# Altium PCB GPS_TRACKER.PcbDoc (part 2 of 2)
Units mm, origin at the board's own origin, x right, y up, seen from the top; angles counter-clockwise.
Board outline 98 x 99.63 mm, 2 copper layers (Top Layer, Bottom Layer), stack 1.57 mm thick; 93 components, 62 nets, 358 pads, 662 vias.
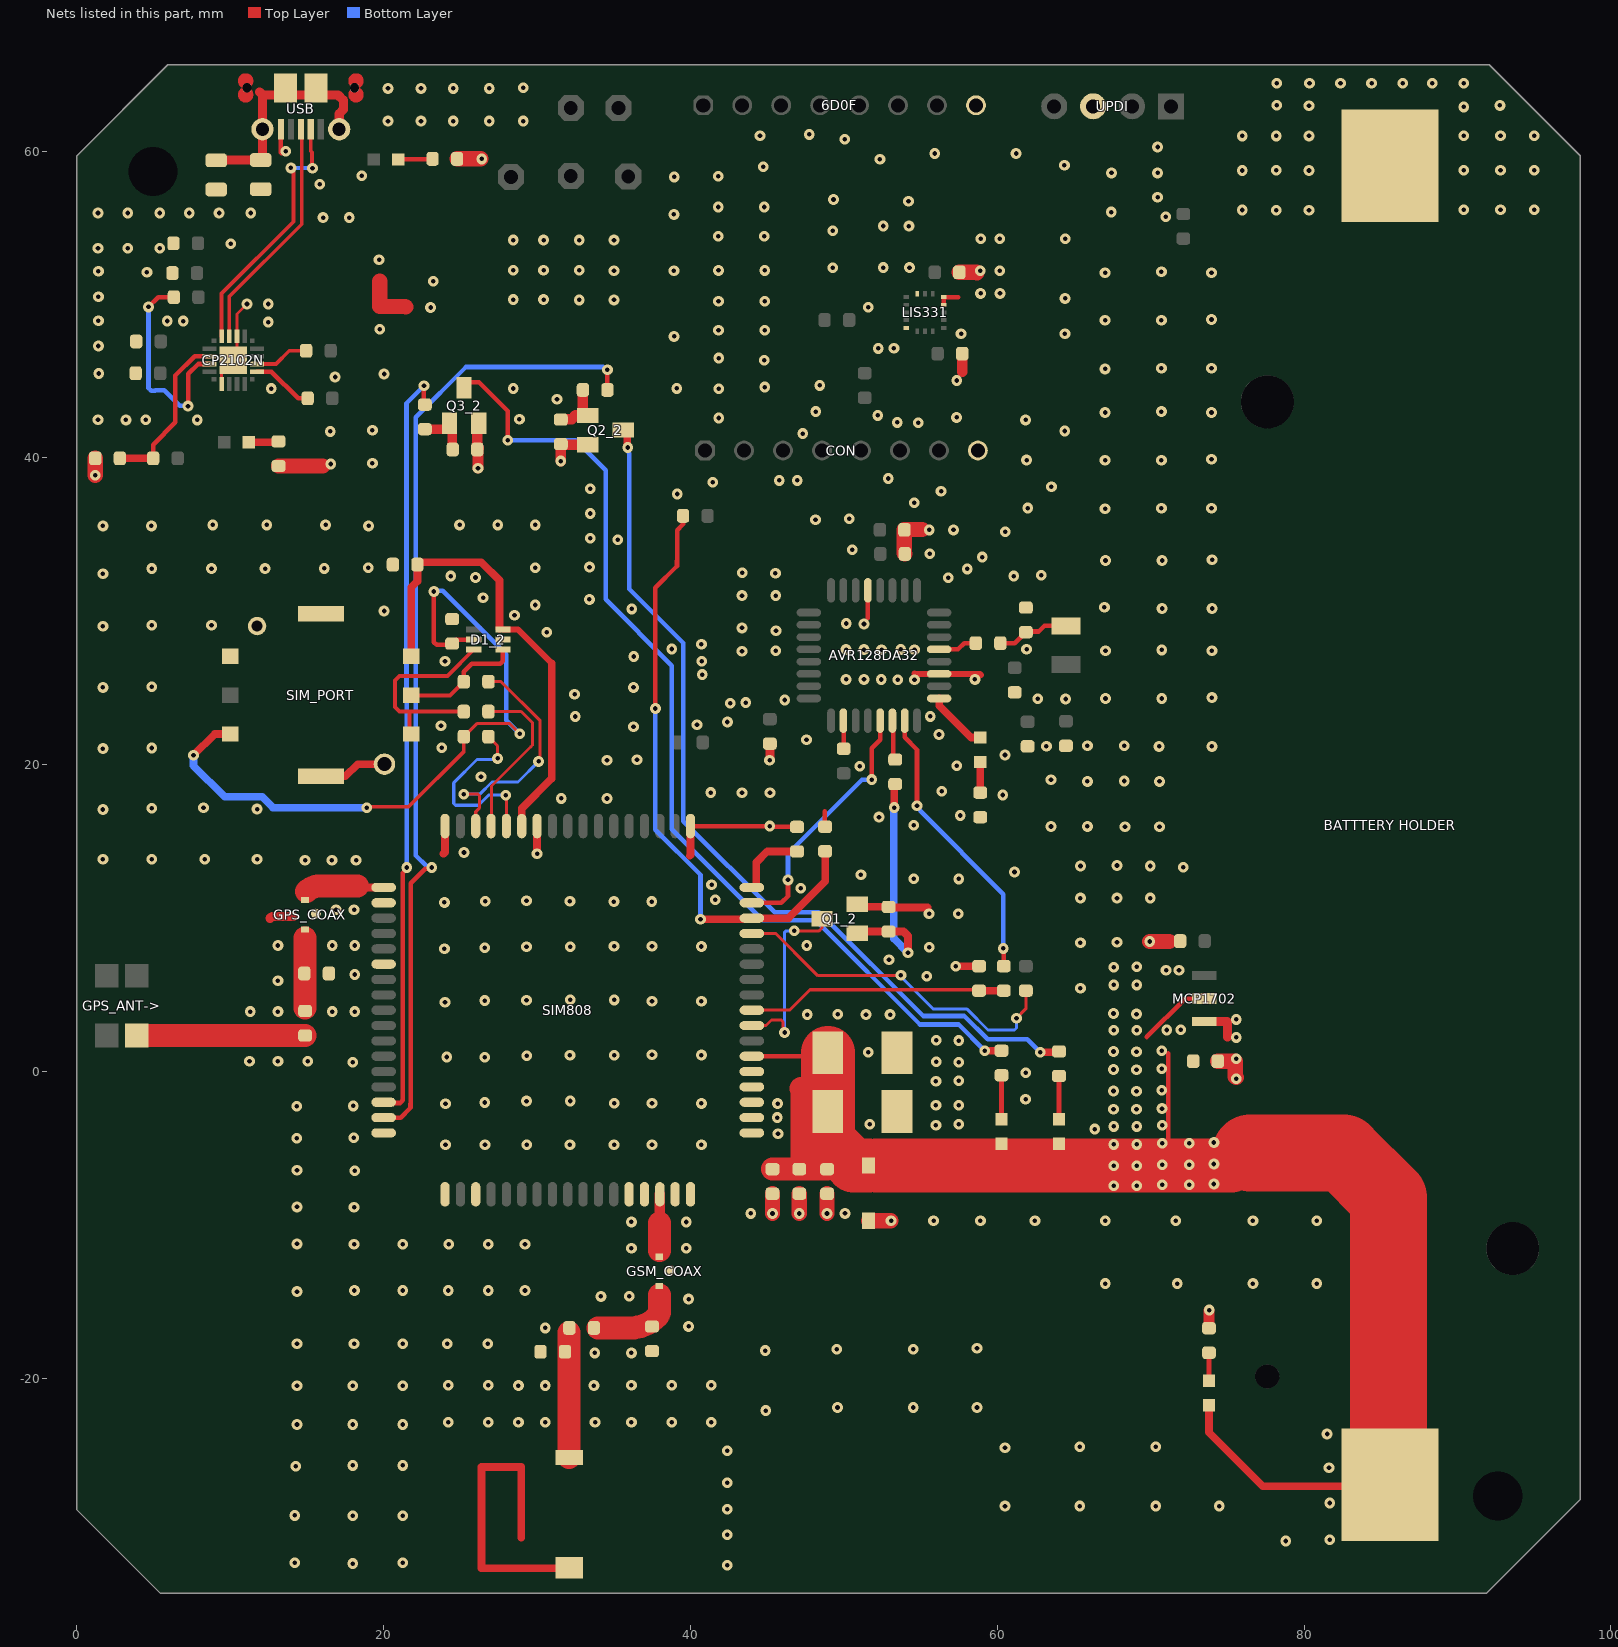
[diagram p2: the nets of this part, all layers, seen from the top]

## Via types
v1: diameter 0.7, hole 0.3, Top Layer to Bottom Layer, tented both sides, 662 vias

## Nets (pads, with @x,y where several pads share a name; then routed paths per layer and width w, separated by ;. In a path a pad name is that pad's centre, name@x,y a point inside that pad or via, vN(x,y) a via of type N, cw(c..) or ccw(c..) an arc to the next point about the centre after c; other vN are vias at no path point) (continued)
AVR_XTAL32K2: AVR128DA32.21 R4_1.2 | length 2.5
  Top Layer w0.3: AVR128DA32.21@56.214,27.522 57.441,27.522 57.841,27.922 R4_1.2@58.597,27.922
CO2102N_RST: CP2102N.9 R10_1.1 | length 14
  Top Layer w0.3: v1(4.669,49.844) 5.304,50.479 R10_1.1@6.321,50.479 ; v1@7.252,43.388 7.252,45.476 7.903,46.126 CP2102N.9@8.638,46.126
  Bottom Layer w0.3: v1@4.67,49.843 4.67,44.56 4.845,44.385 5.109,44.385 5.128,44.404 5.708,44.404 6.712,43.4 7.224,43.4 v1(7.244,43.38)
CO2102N_USART_RX: CP2102N.17 R13_1.2 | length 4
  Top Layer w0.3: CP2102N.17@11.738,45.626 12.684,45.626 14.422,43.888 R13_1.2@15.047,43.888
CO2102N_USART_TX: CP2102N.18 R12_1.2 | length 3.6
  Top Layer w0.25: CP2102N.18@11.738,46.126 12.985,46.126 13.846,46.987 R12_1.2@14.946,46.987
GND: 6D0F.8 "BATTTERY HOLDER.1" AVR128DA32.19 AVR128DA32.29 C1_1.1 C1_2.1 C2_1.1 C2_2.1 C3_1.1 C3_2.1 C4_1.1 C4_2.2 C5_1.1 C5_2.1 C6_1.1 C6_2.2 C7_1.1 C7_2.1 C8_1.1 C8_2.1 C9_1.1 C9_2.1 C10_1.1 C10_2.1 C11_1.1 C12_1.1 C13_1.1 C14_1.1 C15_1.2 CON.8 CP2102N.3 CP2102N.12 CP2102N.21 D1_2.2 GPS_COAX.3 GSM_COAX.3 L2_2.1 LIS331.5 LIS331.12 LIS331.13 LIS331.16 MCP1702.1 Q1_2.2 Q2_2.2 Q3_2.2 R2_1.2 R3_1.2 R5_2.2 R8_1.1 R9_1.1 R9_2.1 R10_2.1 R11_1.1 R13_2.2 R14_2.2 R15_1.1 R17_1.2 SIM808.1 SIM808.2 SIM808.3 SIM808.18 SIM808.28 SIM808.34 SIM808.36 SIM808.40 SIM808.51 SIM808.52 SIM808.54 SIM808.64 SIM808.65 SIM808.67 SIM808.68 SIM_PORT.1 SIM_PORT.2 SIM_PORT.3 SIM_PORT.4 SIM_PORT.C5 UPDI.3 USB.5 Z1_2.2 | length 74.3
  Top Layer w0.2: CP2102N.12@9.438,44.826 9.438,45.653 10.438,46.653 CP2102N.3@10.438,47.926 10.438,49.378 v1(11.094,50.034)
  Top Layer w0.3: USB.5@13.3,61.425 13.3,59.912 v1@13.341,59.87 ; SIM808.18@40,16 45.376,16 45.425,15.95 C7_2.1@46.945,15.95 ; 48.747,16.961 48.747,15.986 R9_2.1@48.774,15.96 ; 51.564,29.561 AVR128DA32.29@51.564,31.372 ; LIS331.12@56.512,49.981 LIS331.13@56.512,50.481 57.461,50.481
  Top Layer w0.4: 54.613,25.94 54.631,25.922 AVR128DA32.19@56.214,25.922 58.872,25.922 58.948,25.846
  Top Layer w0.5: SIM_PORT.2@15.9,19.24 17.5,19.24 18.3,20.04 SIM_PORT.4@20.05,20.04 ; 23.9,14.2 24,14.3 SIM808.34@24,16 ; v1(30,14.2) SIM808.28@30,16 ; 39.957,14.077 40,14.12 SIM808.18@40,16 ; Q1_2.2@50.873,10.91 51.036,10.746 R5_2.2@52.898,10.746 ; R5_2.2@52.914,10.73 52.944,10.7 55.446,10.7 55.476,10.669 ; v1(57.3,6.871) R10_2.1@58.813,6.871 ; R3_1.2@58.889,16.582 R3_1.2@58.906,16.564
  Top Layer w0.6: 12.59,10 cw(c12.853,9.736) 12.853,10.109 14.127,10.109 ; v1(45.158,20.295) 45.175,20.312 R2_1.2@45.175,21.372 ; MCP1702.1@73.495,3.257 74.983,3.257 75,3.24 75,2.257
  Top Layer w0.7: R14_2.2@26.101,40.552 R14_2.2@26.189,40.639 ; R14_2.2@26.101,40.639 Q3_2.2@26.101,42.262 ; v1(26.149,39.331) R14_2.2@26.149,40.503 ; v1(31.542,39.795) 31.55,39.803 R13_2.2@31.55,40.902 31.584,40.868 Q2_2.2@33.307,40.868 ; 57.716,45.618 C10_1.1@57.716,46.794 ; R9_1.1@73.797,-16.731 v1@73.797,-15.57
  Top Layer w1: v1(1.199,38.863) R15_1.1@1.199,39.978 ; R11_1.1@13.144,39.475 16.032,39.475 ; 19.741,51.524 19.741,49.874 21.413,49.874 21.445,49.842 ; R8_1.1@24.787,59.492 v1@26.338,59.492 ; v1(45.344,-9.25) C6_2.2@45.344,-7.964 ; v1(47.094,-9.25) C5_2.1@47.094,-7.961 ; v1(48.9,-9.25) 48.904,-9.246 C4_2.2@48.904,-7.964 ; Z1_2.2@51.6,-9.725 v1@53.045,-9.725 ; C1_1.1@53.975,33.746 53.942,33.779 C4_1.1@53.942,35.315 53.958,35.331 55.108,35.331 ; C9_1.1@57.522,52.1 58.651,52.1 v1@58.677,52.074 ; v1(69.932,8.477) 71.198,8.477 ; C7_1.1@74.372,0.677 75.52,0.677 75.52,-0.334 v1@75.574,-0.388
  other v1: 42.4,-32.175 17.977,-32.075 14.203,-32.013 21.251,-32.013 78.8,-30.6 81.675,-30.525 42.4,-30.2 17.977,-28.964 21.251,-28.964 14.203,-28.933 42.4,-28.525 60.5,-28.325 65.375,-28.325 70.332,-28.325 74.475,-28.325 81.675,-28.125 42.4,-26.8 81.625,-25.825 14.275,-25.726 17.977,-25.675 21.251,-25.675 42.4,-24.725 60.5,-24.526 65.375,-24.466 70.332,-24.466 81.5,-23.625 14.35,-23.006 17.977,-23.006 21.251,-23.006 24.215,-22.86 26.822,-22.86 28.785,-22.86 30.525,-22.86 33.782,-22.86 36.15,-22.86 38.785,-22.86 41.35,-22.86 44.906,-22.1 49.582,-21.9 54.518,-21.9 58.679,-21.9 14.35,-20.475 17.977,-20.475 21.251,-20.475 28.785,-20.468 30.525,-20.468 33.706,-20.468 24.215,-20.441 26.822,-20.441 36.15,-20.441 38.785,-20.441 41.35,-20.441 33.755,-18.341 36.15,-18.341 44.875,-18.191 49.526,-18.101 54.518,-18.101 58.679,-18.041 14.35,-17.739 18.07,-17.739 21.251,-17.739 24.15,-17.739 26.785,-17.739 30.525,-16.713 39.878,-16.612 73.819,-15.548 39.878,-14.834 34.163,-14.656 36,-14.652 14.35,-14.343 18.094,-14.271 21.251,-14.271 24.215,-14.271 26.822,-14.271 29.215,-14.271 67.036,-13.821 71.728,-13.821 76.665,-13.821 80.826,-13.821 36.15,-11.517 39.726,-11.517 18.07,-11.261 21.251,-11.261 24.25,-11.261 26.822,-11.261 29.215,-11.261 14.35,-11.236 39.726,-9.808 36.15,-9.8 53.075,-9.725 55.847,-9.725 58.9,-9.725 62.453,-9.725 67.036,-9.725 71.625,-9.725 76.665,-9.725 80.826,-9.725 43.92,-9.246 50.075,-9.246 18.07,-8.85 14.35,-8.825 18.12,-6.459 14.35,-6.434 40.714,-4.778 24.033,-4.769 26.603,-4.769 29.329,-4.769 32.141,-4.769 35.019,-4.769 37.492,-4.764 14.326,-4.339 18.046,-4.314 45.705,-4.057 66.35,-3.75 56,-3.502 51.689,-3.437 57.479,-3.437 45.654,-3 14.326,-2.263 18.022,-2.238 56,-2.202 57.479,-2.202 24.033,-2.09 45.679,-2.088 35.028,-2.063 37.492,-2.063 40.714,-2.078 26.597,-2.018 29.313,-1.925 32.157,-1.919 61.846,-1.8 56,-0.635 57.479,-0.603 75.574,-0.475 61.863,-0.079 17.977,0.603 56.021,0.635 57.479,0.614 11.25,0.665 13.106,0.665 15.054,0.665 75.574,0.827 26.597,0.932 24.115,0.95 29.329,1.032 32.141,1.062 35.037,1.059 37.492,1.089 40.714,1.075 51.589,1.257 56.021,2.034 57.479,2.021 75.574,2.225 75.574,3.4 47.618,3.716 51.44,3.716 53.009,3.716 49.595,3.739 11.303,3.912 13.106,3.912 16.652,3.912 18.12,3.912 23.998,4.514 37.492,4.59 40.714,4.576 26.597,4.625 29.313,4.645 35.028,4.672 32.166,4.68 65.42,5.432 13.106,5.918 55.398,6.21 18.12,6.325 52.939,7.285 23.961,8 26.597,8.075 55.56,8.107 29.31,8.132 32.166,8.137 40.714,8.15 35.019,8.164 37.492,8.164 13.106,8.215 16.652,8.215 18.12,8.215 47.583,8.216 65.42,8.397 67.8,8.426 55.555,10.282 57.446,10.282 16.895,10.541 18.07,10.542 23.961,11.024 26.625,11.095 35.009,11.078 37.482,11.078 32.141,11.105 29.31,11.129 41.622,11.201 65.42,11.306 67.8,11.306 69.97,11.306 47.18,11.942 41.376,12.175 54.548,12.571 57.48,12.559 51.112,12.824 61.119,13.006 72.125,13.32 65.425,13.4 69.975,13.4 67.805,13.429 14.875,13.767 16.627,13.767 18.2,13.767 1.7,13.842 4.877,13.842 8.331,13.841 11.75,13.841 25.233,14.278 70.575,15.95 63.501,15.977 68.325,15.966 45.162,16 65.875,15.982 54.551,16.054 52.292,16.587 57.578,16.689 1.7,17.081 11.75,17.112 4.877,17.17 8.255,17.205 31.572,17.803 34.557,17.8 60.359,18.028 41.323,18.185 43.361,18.182 45.182,18.182 56.387,18.27 65.875,18.915 70.575,18.915 68.284,18.94 63.501,19.02 26.346,19.222 51.026,19.903 57.361,19.943 34.557,20.294 36.511,20.317 60.5,20.638 1.7,21.054 4.877,21.094 23.786,21.108 63.201,21.2 70.545,21.194 73.99,21.194 65.875,21.243 68.284,21.243 47.564,21.622 56.2,21.969 36.284,22.484 23.74,22.538 40.425,22.611 42.409,22.787 32.486,23.147 55.632,23.152 42.585,24.017 43.6,24.051 46.143,24.219 64.451,24.283 62.64,24.301 67.055,24.322 70.729,24.322 73.99,24.376 32.445,24.602 1.7,25.04 36.284,25.04 4.877,25.092 53.506,25.543 54.6,25.546 50.142,25.561 51.314,25.561 52.433,25.557 58.539,25.565 40.765,25.878 24,26.744 40.739,26.744 36.309,27.054 43.361,27.406 45.557,27.433 67.055,27.426 73.99,27.426 50.142,27.509 51.314,27.509 52.458,27.504 54.6,27.499 70.729,27.486 53.713,27.517 61.909,27.522 38.778,27.542 40.714,27.861 30.629,28.632 45.573,28.728 43.361,28.922 1.7,29.032 4.877,29.09 8.774,29.086 51.314,29.173 50.159,29.21 28.525,29.751 20.025,30.019 36.175,30.16 70.742,30.187 74.003,30.187 66.981,30.27 29.875,30.415 33.41,30.779 26.478,30.891 43.361,31.028 45.55,31.028 25.986,32.209 56.797,32.19 24.376,32.3 61.073,32.3 62.867,32.346 1.7,32.455 45.534,32.479 43.371,32.515 58.05,32.764 4.877,32.788 8.774,32.788 12.269,32.788 16.124,32.8 18.987,32.847 29.875,32.847 33.42,32.884 67.055,33.315 70.742,33.315 74.003,33.369 59.024,33.537 55.605,33.754 50.549,34.022 35.25,34.67 33.46,34.772 60.52,35.185 55.56,35.31 57.145,35.31 1.7,35.571 4.861,35.571 19.018,35.571 8.857,35.635 12.386,35.635 16.211,35.635 24.95,35.635 27.436,35.635 29.875,35.635 48.152,35.97 50.348,36.044 33.46,36.375 67.024,36.69 70.7,36.728 73.961,36.728 61.984,36.732 54.58,37.079 39.138,37.647 56.334,37.822 33.47,37.987 63.526,38.122 41.449,38.411 45.791,38.535 46.953,38.535 52.899,38.66 16.546,39.607 19.265,39.648 61.909,39.859 67.027,39.856 70.7,39.856 73.961,39.91 47.326,41.587 16.517,41.729 64.398,41.753 19.265,41.798 53.482,42.314 54.85,42.295 3.197,42.478 4.488,42.491 7.844,42.478 61.845,42.478 1.378,42.497 28.85,42.528 41.838,42.606 57.345,42.64 52.208,42.772 67.027,42.96 73.961,42.96 48.165,43.022 70.7,43.02 31.3,43.825 12.664,44.523 28.445,44.527 41.838,44.505 39.109,44.532 44.84,44.619 48.434,44.728 57.361,45.05 16.834,45.277 20.025,45.47 1.429,45.507 67.024,45.804 70.7,45.842 73.961,45.842 44.8,46.364 41.838,46.507 52.234,47.139 53.263,47.142 1.403,47.299 38.93,47.92 57.638,48.099 64.41,48.101 41.828,48.323 44.838,48.323 19.75,48.387 12.473,48.856 6.929,48.92 1.403,48.945 5.891,48.925 67.027,48.97 70.7,48.97 73.961,49.025 23.06,49.805 51.582,49.816 12.473,50.034 41.828,50.221 44.838,50.221 32.75,50.299 35.017,50.299 28.451,50.323 30.423,50.323 64.419,50.401 1.403,50.51 58.909,50.726 60.178,50.726 23.232,51.524 67.027,52.075 73.961,52.075 4.568,52.1 70.7,52.135 1.403,52.17 35.017,52.198 58.884,52.198 60.152,52.198 38.92,52.201 41.828,52.224 44.838,52.224 28.451,52.233 30.423,52.233 32.75,52.227 49.276,52.393 52.564,52.41 54.278,52.41 19.7,52.925 1.378,53.661 3.324,53.661 5.397,53.661 10.039,53.961 28.451,54.2 30.423,54.2 32.75,54.2 35.017,54.2 58.928,54.293 60.152,54.293 64.435,54.289 41.805,54.459 44.814,54.459 49.275,54.814 52.559,55.12 54.238,55.114 16.05,55.668 17.748,55.668 70.975,55.725 38.921,55.873 1.378,55.97 3.324,55.97 5.397,55.97 7.324,55.97 9.27,55.97 11.343,55.97 67.436,56.028 78.191,56.154 80.321,56.154 75.971,56.165 90.4,56.175 92.8,56.175 95,56.175 41.805,56.358 44.814,56.358 54.213,56.737 49.322,56.845 70.449,57 15.825,57.845 38.937,58.318 41.805,58.36 18.565,58.391 67.445,58.579 70.449,58.579 75.971,58.738 78.191,58.748 80.321,58.738 90.4,58.748 92.8,58.748 95,58.748 44.74,58.975 64.373,59.082 52.35,59.474 26.387,59.492 55.926,59.845 61.225,59.845 13.613,59.989 70.449,60.272 50.062,60.77 44.531,61.003 75.971,60.99 78.191,60.99 80.321,60.99 90.4,61 92.8,61 95,61 47.734,61.089 20.283,61.956 22.435,61.956 24.537,61.956 26.879,61.956 29.1,61.956 90.4,62.884 80.321,62.954 78.211,62.989 92.762,62.982 20.283,64.086 22.435,64.086 24.537,64.086 26.879,64.086 29.1,64.125 78.211,64.425 80.35,64.425 82.375,64.425 84.4,64.425 86.425,64.425 88.35,64.425 90.4,64.425
GPS_ANT: GPS_ANT->.1 L3_2.2 | length 11
  Top Layer w1.5: GPS_ANT->.1@3.895,2.35 L3_2.2@14.875,2.35
GPS_RF_COAXIAL_OUT: GPS_COAX.2 L2_2.2 L3_2.1 | length 4.7
  Top Layer w1.5: L2_2.2@14.859,6.367 14.859,8.712 ; L3_2.1@14.874,4.15 L2_2.2@14.874,6.477
GSM_ANT: C9_2.2 GSM_ANT->.1 L1_2.2 | length 8.1
  Top Layer w1.5: GSM_ANT->.1@32.087,-25.156 32.087,-18.263 L1_2.2@32.087,-17.016
GSM_ANT_END: GSM_ANT->.2 | length 19.8
  Top Layer w0.5: 28.966,-30.396 28.966,-25.775 26.373,-25.775 26.373,-32.385 GSM_ANT->.2@32.369,-32.385
GSM_RF_COAXIAL_OUT: C8_2.2 GSM_COAX.2 L1_2.1 | length 5.8
  Top Layer w1.5: L1_2.1@33.975,-16.713 36.042,-16.713 ; 36.311,-16.713 36.042,-16.713 ; 37.973,-14.575 37.973,-15.642 cw(c37.511,-15.642) 37.838,-15.969 cw(c36.042,-14.173) 36.042,-16.713
NetAVR128DA32_10: AVR128DA32.10 R16_1.2 | length 1.8
  Top Layer w0.3: AVR128DA32.10@49.964,22.872 49.986,22.849 R16_1.2@49.986,21.043
NetC6_1_2: C6_1.2 R4_1.1 Y1_1.2 | length 4.8
  Top Layer w0.3: R4_1.1@60.168,27.922 61.141,27.922 61.593,28.374 61.593,28.397 61.84,28.643 C6_1.2@61.863,28.643 61.903,28.684 62.71,28.684 63.076,29.05 Y1_1.2@64.475,29.05
NetD1_1_1: AVR128DA32.17 D1_1.1 | length 4
  Top Layer w0.5: AVR128DA32.17@56.214,24.322 56.214,23.851 58.293,21.772 D1_1.1@58.889,21.772
NetD1_1_2: D1_1.2 R3_1.1 | length 2
  Top Layer w0.5: R3_1.1@58.889,18.182 D1_1.2@58.889,20.172
NetD2_1_2: D2_1.2 R8_1.2 | length 2.3
  Top Layer w0.3: D2_1.2@20.95,59.459 23.154,59.459 R8_1.2@23.187,59.492
NetD2_2_2: D2_2.2 R15_2.2 | length 2.8
  Top Layer w0.3: D2_2.2@64.025,-3.102 R15_2.2@64.025,-0.289
NetD3_1_2: D3_1.2 R9_1.2 | length 1.8
  Top Layer w0.3: D3_1.2@73.797,-20.16 R9_1.2@73.797,-18.331
NetD3_2_2: D3_2.2 R16_2.2 | length 2.9
  Top Layer w0.3: D3_2.2@60.275,-3.102 R16_2.2@60.275,-0.238
NetD4_1_2: D4_1.2 R11_1.2 | length 2
  Top Layer w0.5: D4_1.2@11.213,41.018 13.087,41.018 R11_1.2@13.144,41.075
NetIC1_2_8: Q1_2.3 SIM808.8 | length 12.4
  Top Layer w0.2: SIM808.8@44,3 44.928,3 45.286,3.357 45.919,3.357 46.036,3.24 46.036,2.638 v1(46.132,2.543) ; v1(46.767,9.172) 48.385,9.172 48.573,9.36 Q1_2.3@48.573,9.96
  Bottom Layer w0.2: v1@46.118,2.767 46.118,9.055 46.235,9.172 v1(46.767,9.172)
NetQ1_2_1: Q1_2.1 R4_2.2 R5_2.1 | length 16
  Top Layer w0.5: Q1_2.1@50.873,9.01 50.992,9.13 53.886,9.13 54.179,8.837 v1(54.179,7.745) ; v1@53.293,17.121 53.293,18.692 R4_2.2@53.342,18.74
  Bottom Layer w0.5: v1@53.245,17.179 53.245,8.679 v1(54.179,7.745)
  other v1: 53.275,17.209
NetQ2_2_1: Q2_2.1 R12_2.2 R13_2.1 | length 3.7
  Top Layer w0.7: R13_2.1@31.55,42.502 31.569,42.522 32.252,42.522 32.499,42.768 Q2_2.1@33.307,42.768 32.985,43.09 R12_2.2@32.985,44.433
NetQ2_2_3: Q2_2.3 R15_2.1 | length 57.7
  Top Layer w0.5: Q2_2.3@35.607,41.818 35.873,41.552 v1@35.873,40.768 ; v1@62.864,1.261 63.975,1.261 R15_2.1@64.025,1.311
  Bottom Layer w0.3: v1(35.902,40.678) 35.979,40.601 35.979,40.326 36.002,40.302 36.002,31.454 39.52,27.936 39.52,24.838 39.539,24.818 39.539,16.316 45.483,10.372 48.365,10.372 48.415,10.322 48.47,10.322 55.17,3.622 57.847,3.622 59.372,2.096 61.958,2.096 v1(62.793,1.262)
NetQ3_2_1: Q3_2.1 R11_2.2 R14_2.1 | length 3.9
  Top Layer w0.6: R11_2.2@22.685,41.874 24.289,41.874 Q3_2.1@24.289,42.262 24.464,42.262 24.464,40.552 R14_2.1@24.501,40.552
NetQ3_2_3: Q3_2.3 R16_2.1 | length 65.4
  Top Layer w0.3: Q3_2.3@25.239,44.562 25.613,44.936 26.212,44.936 28.088,43.06 v1(28.088,41.153)
  Top Layer w0.5: v1@59.314,1.362 R16_2.1@60.275,1.362
  Bottom Layer w0.3: v1(28.088,41.153) 32.523,41.153 34.47,39.206 34.47,30.779 38.785,26.464 38.785,15.799 44.712,9.872 48.158,9.872 54.96,3.07 57.479,3.07 v1(59.188,1.362)
NetR14_1_1: CP2102N.8 R14_1.1 R15_1.2 | length 10.9
  Top Layer w0.3: R14_1.1@4.974,39.978 4.974,40.866 6.426,42.318 6.426,45.371 7.681,46.626 CP2102N.8@8.638,46.626
  Top Layer w0.5: R15_1.2@2.799,39.978 R14_1.1@4.974,39.978
SHLD: C15_1.1 R17_1.1 USB.6 USB.7 USB.8 USB.9 USB.10 USB.11 | length 14.9
  Top Layer w0.6: R17_1.1@9.085,59.4 9.106,59.421 C15_1.1@11.984,59.421 12.1,59.537 USB.7@12.1,61.425 12.1,63.663 ; 11.913,63.85 12.1,63.663 ; USB.6@17.1,61.425 17.1,62.44 17.372,62.712 17.372,63.312 17.02,63.663 12.1,63.663
SIM808_DTR: R7_2.2 R10_2.2 SIM808.9 | length 17
  Top Layer w0.2: SIM808.9@44,4 46.46,4 47.794,5.335 58.749,5.335 R10_2.2@58.813,5.271
  Top Layer w0.5: R10_2.2@58.813,5.271 R7_2.2@60.423,5.271
SIM808_DTRPIN: AVR128DA32.15 R7_2.1 | length 18.7
  Top Layer w0.3: AVR128DA32.15@53.964,22.872 53.964,21.784 54.767,20.982 v1(54.767,17.329) ; v1(60.396,8.028) 60.423,8.002 R7_2.1@60.423,6.871
  Bottom Layer w0.3: v1(54.767,17.329) 54.767,17.221 54.965,17.022 54.965,16.996 60.396,11.564 v1(60.396,8.028)
SIM808_GPS_RF: GPS_COAX.1 SIM808.35 | length 5.2
  Top Layer w0.5: 18.3,12.1 ccw(c18.541,12.341) 18.541,12 SIM808.35@20,12
  Top Layer w1.5: 14.953,11.727 cw(c15.853,10.828) 15.853,12.1 15.975,12.1 18.3,12.1
SIM808_GSM_RF: GSM_COAX.1 SIM808.66 | length 3.7
  Top Layer w0.7: 37.973,-9.874 ccw(c37.908,-9.808) 38,-9.808 SIM808.66@38,-8
  Top Layer w1.5: 37.973,-11.669 37.973,-9.874
SIM808_NETLIGHT: R12_2.1 SIM808.50 | length 63.6
  Top Layer w0.3: SIM808.50@20,-3 21.117,-3 21.747,-2.371 21.747,-2.091 21.754,-2.084 21.754,12.283 22.697,13.227 23.063,13.227 v1(23.14,13.303) ; R12_2.1@34.585,44.433 v1(34.585,45.754)
  Bottom Layer w0.3: v1(23.14,13.303) 23.063,13.38 22.807,13.38 22.1,14.087 22.1,42.664 25.364,45.928 34.302,45.928 34.477,45.754 v1(34.585,45.754)
SIM808_PWRKEY: AVR128DA32.14 R4_2.1 | length 2.6
  Top Layer w0.3: AVR128DA32.14@53.164,22.872 53.202,22.834 53.202,22.142 53.212,22.132 53.212,20.47 R4_2.1@53.342,20.34
SIM808_RXD: R6_2.2 R9_2.2 SIM808.15 | length 39.3
  Top Layer w0.3: v1(37.714,23.665) 37.714,31.544 39.123,32.953 39.123,33.285 39.129,33.291 39.129,35.282 39.514,35.667 R6_2.2@39.514,36.221
  Top Layer w0.5: v1(40.65,9.92) 43.92,9.92 SIM808.15@44,10 46.384,10 48.779,12.395 R9_2.2@48.779,14.267
  Bottom Layer w0.3: v1(37.714,23.665) 37.714,15.771 40.65,12.835 v1(40.65,9.92)
SIM808_STATUS: R11_2.1 SIM808.49 | length 49.8
  Top Layer w0.3: SIM808.49@20,-2 20.052,-2.052 21.078,-2.052 21.254,-1.876 21.254,12.946 21.5,13.192 v1(21.5,13.3) ; v1@22.623,44.696 22.623,43.535 R11_2.1@22.685,43.474
  Bottom Layer w0.3: v1(21.5,13.3) 21.5,24.585 21.487,24.599 21.487,43.569 v1(22.626,44.708)
SIM808_TXD: R8_2.2 SIM808.14 | length 22.6
  Top Layer w0.2: SIM808.14@44,9 45.559,9 46.552,8.007 46.552,8.005 46.933,7.624 46.935,7.624 48.306,6.253 v1@53.694,6.253 ; v1(61.252,3.474) 61.863,4.084 R8_2.2@61.863,5.271
  Bottom Layer w0.2: v1(53.717,6.271) 53.717,6.202 55.847,4.072 58.033,4.072 59.393,2.712 61.126,2.712 61.252,2.838 v1(61.252,3.474)
SIM808_VRTC: C7_2.2 SIM808.17 | length 4.8
  Top Layer w0.5: SIM808.17@44,12 44.246,12 44.292,12.046 44.292,13.627 45.016,14.35 C7_2.2@46.945,14.35
SIM_CLK: R2_2.1 SIM808.31 | length 11
  Top Layer w0.2: R2_2.1@26.825,23.465 28.964,23.465 29.714,22.716 29.714,21.298 29.638,21.222 cw(c29,21.761) 29.539,21.123 27.027,18.611 27.027,16.027 SIM808.31@27,16
SIM_DATA: R3_2.1 SIM808.30 | length 12.6
  Top Layer w0.2: R3_2.1@26.825,21.83 27.424,21.231 v1(27.424,20.412) ; SIM808.30@28,16 28,17.996 v1@28.076,18.072
  Bottom Layer w0.2: v1(27.424,20.412) 27.354,20.341 26.089,20.341 24.567,18.819 24.567,17.478 24.684,17.361 26.178,17.361 26.835,18.018 28.059,18.018 v1@28.138,17.939
  other v1: 27.952,18.005
SIM_RST: R1_2.1 SIM808.32 | length 16
  Top Layer w0.2: v1(25.225,18.079) 26.143,18.079 26.26,17.962 26.26,17.203 26,16.942 SIM808.32@26,16 ; R1_2.1@26.825,25.415 27.651,25.415 30.199,22.867 30.199,20.585 30.195,20.581 30.195,20.314 v1(30.099,20.218)
  Bottom Layer w0.2: v1(25.225,18.079) 26.255,18.079 27.057,18.881 28.762,18.881 v1(30.099,20.218)
SIM_VDD: C2_2.2 D1_2.3 SIM808.29 SIM_PORT.C1 | length 30.7
  Top Layer w0.4: D1_2.3@27.775,28.809 28.766,28.809 30.959,26.616
  Top Layer w0.5: SIM_PORT.C1@21.8,27.08 21.8,31.559 22.2,31.959 22.2,33.061 22.35,33.211 26.371,33.211 27.552,32.029 D1_2.3@27.552,28.859 ; SIM808.29@29,16 29,17.15 30.959,19.109 30.959,26.616
SMF05C_CAT1: D1_2.1 R1_2.2 SIM_PORT.C2 | length 8
  Top Layer w0.25: SIM_PORT.C2@21.824,24.516 24.326,24.516 R1_2.2@25.225,25.415
  Top Layer w0.3: R1_2.2@25.225,25.415 25.225,26.057 25.74,26.572 27.599,26.572 27.775,26.748 D1_2.1@27.775,27.509
SMF05C_CAT4: C1_2.2 D1_2.5 R3_2.2 SIM_PORT.C7 | length 47.4